# KiCad board IotKnob.kicad_pcb (continued)
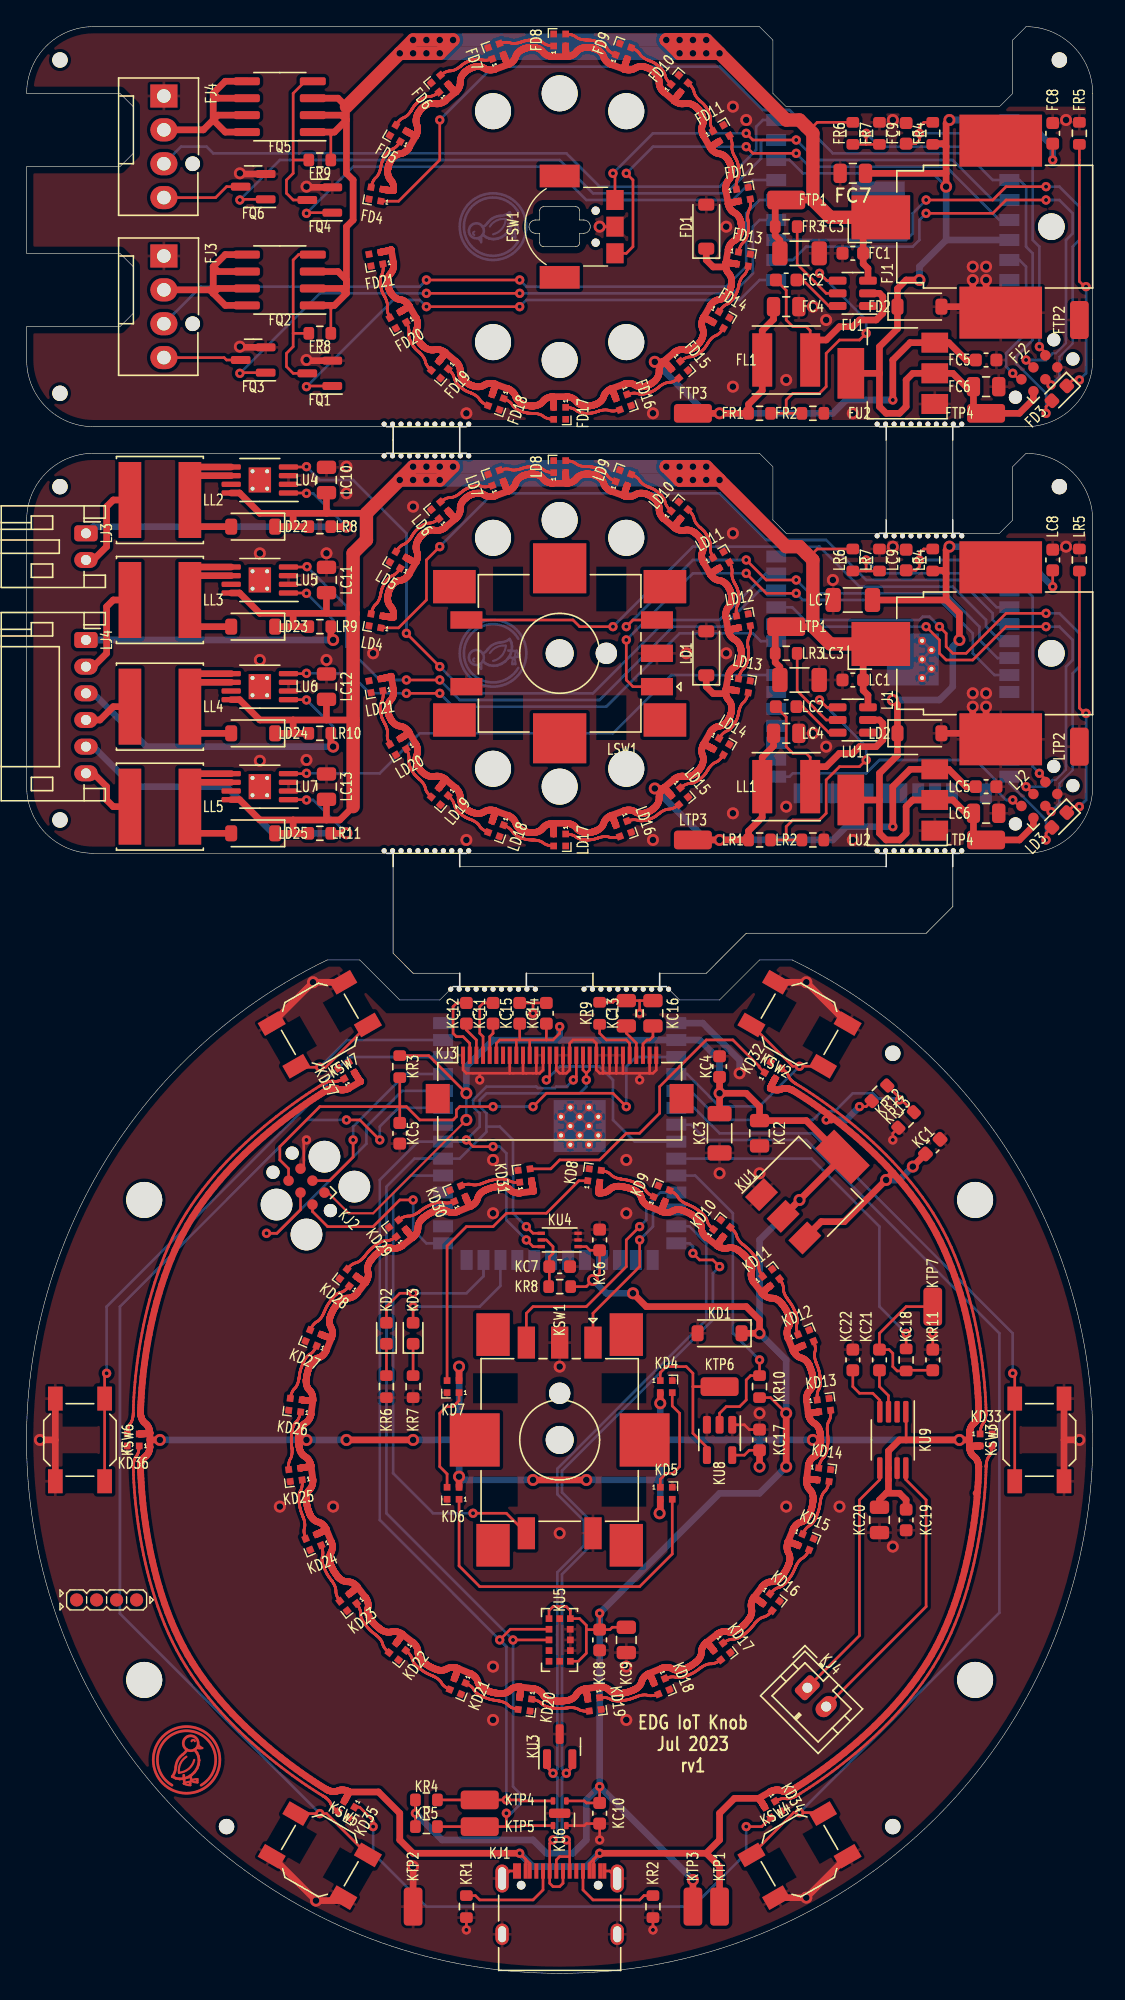
[diagram p0: board, top side]
## Routing (per net, layer and track width the routed paths; a pad name or vN(x,y) marks a point on that pad's centre or on a via; arc(x,y) is an arc through that point) (continued)
rgb_ring.led[5].dout: length 12.1
  Top w0.2: 59.47,38.04 59.47,38.07 59.48,38.09 59.49,38.12 59.51,38.18 59.52,38.21 59.53,38.25 59.54,38.28 59.55,38.31 59.57,38.35 59.58,38.38 59.6,38.41 59.61,38.44 59.63,38.47 59.65,38.5 59.67,38.53 59.69,38.56 59.72,38.59 59.74,38.62 59.79,38.66 59.81,38.69 59.84,38.72 59.86,38.75 59.88,38.78 59.9,38.81 59.92,38.84 59.93,38.87 59.95,38.9 59.96,38.93 59.98,38.97 59.99,39 60,39.03 60.01,39.06 60.02,39.1 60.03,39.13 60.05,39.19 60.06,39.21 60.07,39.26 60.08,39.31 60.08,39.34 60.09,39.38 60.09,39.39 60.09,39.4 60.09,39.41 60.1,39.42 60.1,39.44 60.1,39.45 60.1,39.47 60.11,39.51 60.11,39.54 60.11,39.56 60.12,39.61 60.12,39.64 60.12,39.69 60.13,39.72 60.13,39.75 60.14,39.88 60.14,39.96 60.14,39.98 60.14,40.01 60.14,40.03 60.14,40.05 60.14,40.13 60.13,40.27 60.13,40.3 60.12,40.32 60.12,40.38 60.12,40.4 60.11,40.45 60.11,40.48 60.11,40.5 60.1,40.54 60.1,40.56 60.1,40.58 60.1,40.59 60.09,40.6 60.09,40.61 60.09,40.62 60.09,40.66 60.08,40.69 60.08,40.71 60.08,40.78 60.08,40.8 60.08,40.89 60.08,40.92 60.08,40.99 60.09,41.03 60.09,41.06 60.1,41.1 60.1,41.13 60.11,41.17 60.12,41.2 60.13,41.24 60.14,41.27 60.15,41.31 60.18,41.37 60.19,41.4 60.21,41.43 60.23,41.46 60.25,41.49 60.26,41.52 60.27,41.56 60.29,41.59 60.3,41.63 60.31,41.66 60.31,41.7 60.32,41.73 60.33,41.77 60.33,41.8 60.34,41.84 60.34,41.91 60.34,41.94 60.34,41.97 60.34,42.06 60.34,42.09 ; 45.5,112.37 45.52,112.36 45.55,112.35 45.6,112.32 45.66,112.29 45.68,112.27 45.74,112.23 45.77,112.21 45.83,112.17 45.86,112.14 45.88,112.12 45.91,112.09 45.93,112.07 45.96,112.04 45.98,112.01 46,111.98 46.03,111.92 46.05,111.9 46.08,111.87 46.1,111.84 46.12,111.81 46.18,111.76 46.23,111.72 46.29,111.68 46.32,111.66 46.35,111.64 46.38,111.62 46.41,111.6 46.43,111.59 46.46,111.57 46.49,111.56 46.51,111.55 46.54,111.53 46.58,111.51 46.6,111.51 46.62,111.5 46.67,111.48 46.68,111.48 46.71,111.46 46.72,111.46 46.73,111.45 46.79,111.43 46.84,111.41 46.94,111.37 46.96,111.36 47.01,111.34 47.05,111.32 47.06,111.31 47.09,111.29 47.12,111.27 47.16,111.25 47.17,111.24 47.19,111.23 47.2,111.22 47.22,111.21 47.24,111.2 47.25,111.18 47.32,111.14 47.38,111.09 47.39,111.08 47.41,111.06 47.42,111.05 47.46,111.02 47.48,111.01 47.51,110.98 47.52,110.97 47.57,110.92 47.59,110.9 47.61,110.88 47.63,110.86 47.65,110.83 47.67,110.81 47.69,110.78 47.71,110.76 47.75,110.7 47.79,110.64 47.81,110.61 47.83,110.58 47.85,110.55 47.86,110.51 47.88,110.48 47.89,110.45 47.9,110.41 47.91,110.38 47.92,110.31 47.93,110.28 47.94,110.24 47.95,110.21 47.97,110.18 48,110.11 48.02,110.08 48.04,110.05 48.06,110.02 48.08,109.99 48.1,109.96 48.12,109.93 48.16,109.88 48.2,109.84 48.22,109.81 48.26,109.77 ; 48.26,141.77 48.22,141.81 48.2,141.84 48.16,141.88 48.12,141.93 48.1,141.96 48.08,141.99 48.06,142.02 48.04,142.05 48.02,142.08 48,142.11 47.97,142.18 47.95,142.21 47.94,142.24 47.93,142.28 47.92,142.31 47.91,142.38 47.9,142.41 47.89,142.45 47.88,142.48 47.86,142.51 47.85,142.55 47.83,142.58 47.81,142.61 47.79,142.64 47.75,142.7 47.71,142.76 47.69,142.78 47.67,142.81 47.65,142.83 47.63,142.86 47.61,142.88 47.59,142.9 47.57,142.92 47.52,142.97 47.51,142.98 47.49,143 47.46,143.02 47.43,143.04 47.42,143.05 47.41,143.06 47.39,143.08 47.35,143.11 47.32,143.14 47.27,143.17 47.25,143.18 47.24,143.2 47.22,143.21 47.2,143.22 47.19,143.23 47.17,143.24 47.16,143.25 47.12,143.27 47.09,143.29 47.06,143.31 47.05,143.32 47.01,143.34 46.96,143.36 46.94,143.37 46.88,143.39 46.84,143.41 46.79,143.43 46.75,143.45 46.72,143.46 46.7,143.47 46.68,143.47 46.67,143.48 46.62,143.5 46.6,143.51 46.58,143.51 46.54,143.53 46.51,143.55 46.49,143.56 46.46,143.57 46.43,143.59 46.41,143.6 46.38,143.62 46.35,143.64 46.32,143.66 46.29,143.68 46.23,143.72 46.18,143.76 46.12,143.81 46.1,143.84 46.08,143.87 46.05,143.9 46.03,143.92 46,143.98 45.98,144.01 45.96,144.04 45.93,144.07 45.91,144.09 45.88,144.12 45.86,144.14 45.83,144.17 45.77,144.21 45.74,144.23 45.68,144.27 45.66,144.29 45.6,144.32 45.55,144.35 45.52,144.36 45.5,144.37
rgb_ring.led[6].dout: length 12.1
  Top w0.2: 49.74,109.69 49.8,109.63 49.81,109.6 49.84,109.58 49.88,109.53 49.92,109.47 49.96,109.41 49.98,109.38 50,109.35 50.01,109.32 50.03,109.28 50.04,109.25 50.06,109.22 50.07,109.18 50.08,109.15 50.09,109.08 50.1,109.05 50.11,109.01 50.12,108.98 50.14,108.95 50.15,108.92 50.17,108.88 50.19,108.85 50.2,108.82 50.24,108.76 50.29,108.7 50.33,108.65 50.37,108.61 50.39,108.58 50.41,108.56 50.43,108.54 50.46,108.51 50.5,108.47 50.52,108.46 50.53,108.44 50.56,108.42 50.58,108.4 50.61,108.38 50.62,108.37 50.64,108.35 50.67,108.32 50.69,108.31 50.7,108.29 50.73,108.27 50.75,108.25 50.76,108.24 50.81,108.19 50.86,108.14 50.87,108.13 50.88,108.11 50.89,108.1 50.92,108.05 50.96,108 50.97,107.99 50.98,107.97 51.03,107.9 51.06,107.85 51.06,107.84 51.07,107.82 51.08,107.81 51.1,107.79 51.1,107.78 51.12,107.75 51.13,107.73 51.13,107.73 51.14,107.72 51.15,107.69 51.16,107.67 51.18,107.63 51.2,107.59 51.21,107.56 51.22,107.53 51.23,107.5 51.24,107.47 51.25,107.44 51.27,107.41 51.28,107.38 51.29,107.34 51.3,107.31 51.3,107.27 51.31,107.24 51.32,107.2 51.32,107.17 51.33,107.13 51.33,107.1 51.33,107.06 51.33,107.02 51.32,106.99 51.31,106.92 51.31,106.89 51.31,106.85 51.31,106.81 51.31,106.78 51.31,106.74 51.32,106.71 51.32,106.67 51.33,106.64 51.34,106.6 51.35,106.57 51.37,106.5 51.38,106.47 51.39,106.44 51.4,106.41 51.41,106.38 51.44,106.32 51.45,106.3 ; 58.3,33.07 58.32,33.12 58.35,33.17 58.37,33.2 58.39,33.22 58.41,33.25 58.45,33.31 58.49,33.37 58.52,33.39 58.54,33.42 58.57,33.44 58.59,33.47 58.62,33.49 58.65,33.51 58.68,33.54 58.71,33.55 58.74,33.57 58.77,33.59 58.8,33.61 58.83,33.63 58.86,33.65 58.88,33.67 58.91,33.7 58.96,33.75 58.98,33.78 59.01,33.8 59.05,33.86 59.07,33.89 59.09,33.92 59.12,33.97 59.14,34 59.17,34.05 59.18,34.07 59.19,34.09 59.2,34.11 59.22,34.15 59.23,34.18 59.24,34.2 59.25,34.22 59.26,34.24 59.27,34.26 59.27,34.27 59.28,34.29 59.29,34.31 59.3,34.35 59.31,34.37 59.32,34.39 59.33,34.42 59.34,34.44 59.35,34.47 59.36,34.49 59.37,34.52 59.38,34.54 59.39,34.57 59.42,34.68 59.43,34.7 59.44,34.72 59.44,34.75 59.45,34.77 59.46,34.81 59.47,34.84 59.47,34.86 59.48,34.89 59.48,34.91 59.49,34.94 59.51,35.02 59.52,35.1 59.53,35.13 59.53,35.16 59.54,35.21 59.54,35.23 59.55,35.26 59.55,35.28 59.56,35.32 59.56,35.34 59.56,35.35 59.56,35.38 59.57,35.41 59.57,35.45 59.58,35.49 59.58,35.51 59.6,35.58 59.61,35.61 59.62,35.66 59.63,35.7 59.66,35.76 59.67,35.79 59.68,35.82 59.71,35.89 59.72,35.92 59.74,35.95 59.76,35.99 59.8,36.05 59.82,36.08 59.84,36.1 59.87,36.13 59.92,36.18 59.94,36.2 59.96,36.23 59.98,36.26 60.03,36.32 60.04,36.35 60.06,36.38 60.08,36.41 60.09,36.45 60.12,36.51 60.13,36.54 60.14,36.58 60.15,36.61 60.17,36.67 60.18,36.73 60.19,36.75 ; 49.74,141.69 49.8,141.63 49.81,141.6 49.84,141.58 49.88,141.53 49.92,141.47 49.96,141.41 49.98,141.38 50,141.35 50.01,141.32 50.03,141.28 50.04,141.25 50.06,141.22 50.07,141.18 50.08,141.15 50.09,141.08 50.1,141.05 50.11,141.01 50.12,140.98 50.14,140.95 50.15,140.92 50.17,140.88 50.19,140.85 50.2,140.82 50.24,140.76 50.29,140.7 50.33,140.65 50.37,140.61 50.39,140.58 50.41,140.56 50.43,140.54 50.46,140.51 50.5,140.47 50.52,140.46 50.53,140.44 50.56,140.42 50.58,140.4 50.61,140.38 50.62,140.37 50.64,140.35 50.67,140.32 50.69,140.31 50.7,140.29 50.73,140.27 50.75,140.25 50.76,140.24 50.81,140.19 50.86,140.14 50.87,140.13 50.88,140.11 50.89,140.1 50.92,140.05 50.96,140 50.97,139.99 50.98,139.97 51.03,139.9 51.06,139.85 51.06,139.84 51.07,139.82 51.08,139.81 51.1,139.79 51.1,139.78 51.12,139.75 51.13,139.73 51.13,139.73 51.14,139.72 51.15,139.69 51.16,139.67 51.18,139.63 51.2,139.59 51.21,139.56 51.22,139.53 51.23,139.5 51.24,139.47 51.25,139.44 51.27,139.41 51.28,139.38 51.29,139.34 51.3,139.31 51.3,139.27 51.31,139.24 51.32,139.2 51.32,139.17 51.33,139.13 51.33,139.1 51.33,139.06 51.33,139.02 51.32,138.99 51.31,138.92 51.31,138.89 51.31,138.85 51.31,138.81 51.31,138.78 51.31,138.74 51.32,138.71 51.32,138.67 51.33,138.64 51.34,138.6 51.35,138.57 51.37,138.5 51.38,138.47 51.39,138.44 51.4,138.41 51.41,138.38 51.44,138.32 51.45,138.3
rgb_ring.led[7].dout: length 12.1
  Top w0.2: 53.25,101.94 53.25,101.97 53.25,102 53.24,102.06 53.24,102.12 53.25,102.19 53.25,102.26 53.26,102.34 53.28,102.41 53.3,102.48 53.31,102.51 53.32,102.54 53.34,102.57 53.35,102.6 53.37,102.64 53.39,102.67 53.4,102.7 53.41,102.73 53.42,102.77 53.43,102.8 53.44,102.87 53.45,102.95 53.46,103.02 53.46,103.08 53.46,103.15 53.46,103.21 53.46,103.24 53.46,103.27 53.45,103.29 53.45,103.33 53.45,103.37 53.44,103.41 53.44,103.42 53.43,103.46 53.42,103.5 53.42,103.54 53.4,103.59 53.4,103.61 53.39,103.63 53.39,103.65 53.39,103.67 53.37,103.73 53.36,103.75 53.36,103.77 53.35,103.79 53.35,103.81 53.34,103.83 53.34,103.84 53.33,103.87 53.32,103.89 53.31,103.91 53.29,103.96 53.26,104.02 53.22,104.09 53.22,104.11 53.2,104.14 53.19,104.16 53.18,104.17 53.17,104.2 53.15,104.24 53.13,104.27 53.11,104.3 53.09,104.34 53.07,104.38 53.06,104.4 53.05,104.43 53.04,104.45 53.03,104.48 53.02,104.51 53,104.54 52.99,104.57 52.98,104.6 52.97,104.64 52.96,104.67 52.94,104.74 52.94,104.77 52.93,104.81 52.92,104.88 52.92,104.92 52.92,104.95 52.92,104.99 52.93,105.02 52.93,105.06 52.94,105.09 52.94,105.13 52.94,105.16 52.94,105.2 52.94,105.23 52.94,105.27 52.93,105.31 52.92,105.34 52.92,105.38 52.91,105.41 52.9,105.45 52.89,105.48 52.88,105.51 52.87,105.55 52.86,105.58 52.85,105.61 52.84,105.64 52.83,105.66 52.81,105.69 52.8,105.71 ; 52.8,137.71 52.81,137.69 52.83,137.66 52.84,137.64 52.85,137.61 52.86,137.58 52.87,137.55 52.88,137.51 52.89,137.48 52.9,137.45 52.91,137.41 52.92,137.38 52.92,137.34 52.93,137.31 52.94,137.27 52.94,137.23 52.94,137.2 52.94,137.16 52.94,137.13 52.94,137.09 52.93,137.06 52.93,137.02 52.92,136.99 52.92,136.95 52.92,136.92 52.92,136.88 52.93,136.81 52.94,136.77 52.94,136.74 52.96,136.67 52.97,136.64 52.98,136.6 52.99,136.57 53,136.54 53.02,136.51 53.03,136.48 53.04,136.45 53.05,136.43 53.06,136.4 53.07,136.38 53.09,136.34 53.11,136.3 53.13,136.27 53.14,136.25 53.17,136.2 53.18,136.17 53.19,136.16 53.2,136.14 53.22,136.11 53.22,136.09 53.24,136.05 53.27,136 53.29,135.96 53.3,135.93 53.31,135.91 53.32,135.89 53.34,135.84 53.34,135.83 53.35,135.81 53.35,135.79 53.36,135.77 53.36,135.75 53.37,135.73 53.39,135.67 53.39,135.65 53.39,135.63 53.4,135.61 53.4,135.59 53.41,135.56 53.42,135.54 53.42,135.5 53.43,135.46 53.44,135.43 53.44,135.41 53.44,135.38 53.45,135.35 53.45,135.31 53.45,135.29 53.46,135.27 53.46,135.24 53.46,135.21 53.46,135.15 53.46,135.08 53.46,135.02 53.45,134.95 53.44,134.87 53.43,134.8 53.42,134.77 53.41,134.73 53.4,134.7 53.39,134.67 53.37,134.64 53.35,134.6 53.34,134.57 53.32,134.54 53.31,134.51 53.3,134.48 53.28,134.41 53.26,134.34 53.25,134.26 53.25,134.19 53.24,134.12 53.24,134.06 53.25,134 53.25,133.97 53.25,133.94 ; 55.88,28.57 55.9,28.59 55.92,28.61 55.94,28.63 55.98,28.67 56.03,28.72 56.06,28.74 56.11,28.78 56.14,28.81 56.17,28.83 56.2,28.84 56.24,28.86 56.27,28.88 56.3,28.9 56.33,28.91 56.37,28.92 56.4,28.93 56.43,28.94 56.47,28.95 56.5,28.96 56.53,28.97 56.57,28.98 56.6,29 56.63,29.02 56.66,29.04 56.69,29.05 56.75,29.1 56.78,29.12 56.81,29.14 56.86,29.18 56.89,29.21 56.93,29.25 56.97,29.29 56.99,29.31 57.02,29.35 57.04,29.36 57.06,29.39 57.08,29.42 57.1,29.43 57.1,29.44 57.11,29.45 57.12,29.47 57.13,29.48 57.14,29.49 57.15,29.51 57.18,29.54 57.21,29.58 57.22,29.6 57.25,29.65 57.29,29.69 57.3,29.72 57.35,29.78 57.38,29.83 57.39,29.85 57.41,29.87 57.42,29.89 57.43,29.92 57.44,29.93 57.46,29.95 57.47,29.98 57.49,30.02 57.53,30.09 57.54,30.12 57.55,30.14 57.59,30.22 57.61,30.27 57.62,30.29 57.64,30.34 57.65,30.36 57.67,30.4 57.68,30.43 57.69,30.45 57.7,30.49 57.71,30.5 57.72,30.53 57.74,30.57 57.76,30.61 57.77,30.63 57.8,30.68 57.82,30.71 57.85,30.76 57.89,30.82 57.91,30.85 57.93,30.87 57.95,30.9 57.97,30.93 58,30.96 58.02,30.98 58.05,31.01 58.07,31.03 58.1,31.06 58.13,31.08 58.16,31.1 58.19,31.12 58.22,31.13 58.25,31.15 58.28,31.17 58.31,31.19 58.33,31.21 58.39,31.26 58.41,31.29 58.44,31.31 58.46,31.34 58.48,31.37 58.51,31.4 58.53,31.42 58.55,31.45 58.58,31.51 58.62,31.56 58.63,31.59 58.66,31.64
rgb_ring.led[8].dout: length 12.1
  Top w0.2: 54.33,100.93 54.33,100.88 54.33,100.82 54.33,100.75 54.33,100.72 54.33,100.65 54.32,100.58 54.31,100.54 54.31,100.5 54.3,100.47 54.29,100.43 54.28,100.4 54.27,100.37 54.25,100.33 54.24,100.3 54.22,100.27 54.2,100.24 54.19,100.21 54.18,100.18 54.15,100.11 54.14,100.07 54.14,100.04 54.12,99.97 54.12,99.93 54.11,99.86 54.11,99.82 54.11,99.79 54.11,99.73 54.11,99.69 54.11,99.66 54.12,99.64 54.12,99.58 54.12,99.56 54.12,99.54 54.13,99.51 54.13,99.48 54.14,99.45 54.15,99.4 54.15,99.37 54.15,99.35 54.16,99.34 54.16,99.3 54.16,99.28 54.17,99.26 54.17,99.24 54.17,99.22 54.17,99.18 54.18,99.16 54.18,99.14 54.18,99.12 54.18,99.1 54.19,99.02 54.19,98.99 54.18,98.91 54.18,98.89 54.18,98.87 54.18,98.85 54.17,98.83 54.17,98.79 54.17,98.77 54.17,98.75 54.16,98.73 54.16,98.71 54.16,98.68 54.15,98.66 54.15,98.64 54.14,98.59 54.14,98.57 54.14,98.55 54.13,98.51 54.11,98.45 54.11,98.43 54.1,98.41 54.09,98.35 54.08,98.33 54.06,98.27 54.05,98.23 54.03,98.2 54.02,98.17 54,98.14 53.99,98.11 53.96,98.04 53.94,98.01 53.92,97.98 53.9,97.95 53.88,97.92 53.85,97.89 53.83,97.87 53.81,97.84 53.78,97.82 53.75,97.8 53.73,97.77 53.7,97.75 53.68,97.72 53.66,97.69 53.62,97.63 53.6,97.6 53.57,97.54 53.55,97.5 53.52,97.44 53.5,97.38 53.49,97.35 53.47,97.29 53.45,97.24 ; 54.33,132.93 54.33,132.88 54.33,132.82 54.33,132.75 54.33,132.72 54.33,132.65 54.32,132.58 54.31,132.54 54.31,132.5 54.3,132.47 54.29,132.43 54.28,132.4 54.27,132.37 54.25,132.33 54.24,132.3 54.22,132.27 54.2,132.24 54.19,132.21 54.18,132.18 54.15,132.11 54.14,132.07 54.14,132.04 54.12,131.97 54.12,131.93 54.11,131.86 54.11,131.82 54.11,131.79 54.11,131.73 54.11,131.69 54.11,131.66 54.12,131.64 54.12,131.58 54.12,131.56 54.12,131.54 54.13,131.51 54.13,131.48 54.14,131.45 54.15,131.4 54.15,131.37 54.15,131.35 54.16,131.34 54.16,131.3 54.16,131.28 54.17,131.26 54.17,131.24 54.17,131.22 54.17,131.18 54.18,131.16 54.18,131.14 54.18,131.12 54.18,131.1 54.19,131.02 54.19,130.99 54.18,130.91 54.18,130.89 54.18,130.87 54.18,130.85 54.17,130.83 54.17,130.79 54.17,130.77 54.17,130.75 54.16,130.73 54.16,130.71 54.16,130.68 54.15,130.66 54.15,130.64 54.14,130.59 54.14,130.57 54.14,130.55 54.13,130.51 54.11,130.45 54.11,130.43 54.1,130.41 54.09,130.35 54.08,130.33 54.06,130.27 54.05,130.23 54.03,130.2 54.02,130.17 54,130.14 53.99,130.11 53.96,130.04 53.94,130.01 53.92,129.98 53.9,129.95 53.88,129.92 53.85,129.89 53.83,129.87 53.81,129.84 53.78,129.82 53.75,129.8 53.73,129.77 53.7,129.75 53.68,129.72 53.66,129.69 53.62,129.63 53.6,129.6 53.57,129.54 53.55,129.5 53.52,129.44 53.5,129.38 53.49,129.35 53.47,129.29 53.45,129.24 ; 55.86,27.09 55.82,27.05 55.8,27.03 55.78,27.01 55.75,26.99 55.73,26.97 55.7,26.94 55.65,26.9 55.59,26.86 55.56,26.84 55.5,26.8 55.47,26.78 55.43,26.77 55.4,26.75 55.37,26.74 55.33,26.73 55.27,26.71 55.23,26.7 55.2,26.69 55.17,26.68 55.13,26.66 55.1,26.65 55.04,26.61 55.01,26.59 54.95,26.55 54.92,26.52 54.87,26.48 54.82,26.43 54.8,26.41 54.78,26.39 54.73,26.33 54.69,26.29 54.67,26.26 54.65,26.24 54.62,26.21 54.6,26.18 54.58,26.15 54.55,26.12 54.52,26.08 54.45,26 54.42,25.96 54.4,25.94 54.35,25.87 54.33,25.85 54.31,25.83 54.29,25.81 54.28,25.8 54.26,25.78 54.23,25.75 54.21,25.73 54.19,25.71 54.17,25.7 54.15,25.68 54.13,25.66 54.07,25.61 54.05,25.59 54.01,25.55 53.94,25.5 53.92,25.49 53.89,25.45 53.85,25.43 53.82,25.4 53.8,25.38 53.78,25.37 53.76,25.35 53.75,25.35 53.73,25.33 53.68,25.3 53.67,25.29 53.64,25.28 53.62,25.26 53.57,25.23 53.54,25.22 53.52,25.2 53.46,25.17 53.39,25.15 53.36,25.13 53.29,25.11 53.26,25.1 53.22,25.09 53.19,25.08 53.15,25.07 53.11,25.07 53.08,25.06 53.05,25.06 52.97,25.06 52.94,25.06 52.91,25.06 52.87,25.05 52.83,25.05 52.8,25.04 52.73,25.02 52.69,25.01 52.66,25 52.63,24.98 52.6,24.97 52.56,24.95 52.5,24.92 52.48,24.91 52.45,24.89 52.4,24.86 52.38,24.85
rgb_ring.led[9].dout: length 12.1
  Top w0.2: 52.04,92.74 52.05,92.76 52.09,92.81 52.13,92.86 52.17,92.91 52.2,92.93 52.22,92.96 52.27,93.01 52.3,93.03 52.33,93.06 52.36,93.08 52.39,93.1 52.42,93.12 52.45,93.14 52.48,93.15 52.51,93.17 52.54,93.18 52.57,93.19 52.61,93.21 52.64,93.22 52.67,93.24 52.7,93.26 52.73,93.28 52.76,93.3 52.78,93.33 52.81,93.35 52.86,93.4 52.91,93.45 52.93,93.48 52.96,93.5 53,93.55 53.01,93.58 53.03,93.6 53.05,93.62 53.08,93.68 53.11,93.72 53.13,93.74 53.14,93.76 53.17,93.81 53.18,93.84 53.19,93.86 53.2,93.87 53.22,93.91 53.22,93.92 53.24,93.96 53.27,94.01 53.29,94.05 53.3,94.09 53.31,94.1 53.32,94.12 53.34,94.17 53.34,94.19 53.35,94.2 53.35,94.22 53.36,94.24 53.36,94.26 53.37,94.28 53.39,94.34 53.39,94.36 53.39,94.38 53.4,94.4 53.4,94.42 53.41,94.46 53.42,94.47 53.42,94.51 53.43,94.55 53.44,94.58 53.44,94.6 53.45,94.66 53.46,94.7 53.47,94.72 53.47,94.74 53.48,94.77 53.49,94.8 53.5,94.83 53.53,94.92 53.54,94.95 53.56,94.98 53.57,95.01 53.58,95.04 53.6,95.08 53.62,95.11 53.64,95.14 53.66,95.17 53.68,95.2 53.7,95.23 53.72,95.26 53.75,95.28 53.77,95.31 53.8,95.33 53.82,95.35 53.85,95.38 53.87,95.4 53.89,95.43 53.94,95.49 53.97,95.55 53.99,95.58 54.02,95.65 54.04,95.68 54.05,95.71 54.06,95.74 54.08,95.77 54.08,95.81 54.09,95.83 54.1,95.86 54.11,95.89 54.12,95.92 ; 48.03,22.16 48.06,22.17 48.08,22.18 48.11,22.19 48.14,22.19 48.21,22.21 48.24,22.21 48.28,22.22 48.34,22.23 48.42,22.24 48.45,22.24 48.49,22.24 48.53,22.24 48.56,22.23 48.6,22.23 48.63,22.22 48.67,22.22 48.7,22.21 48.73,22.2 48.77,22.19 48.8,22.18 48.84,22.18 48.87,22.17 48.91,22.17 48.95,22.17 49.02,22.18 49.05,22.18 49.12,22.19 49.19,22.2 49.22,22.21 49.25,22.22 49.28,22.22 49.31,22.23 49.34,22.24 49.39,22.25 49.41,22.26 49.45,22.27 49.48,22.29 49.5,22.29 49.52,22.3 49.56,22.32 49.57,22.32 49.61,22.34 49.65,22.36 49.67,22.37 49.72,22.39 49.74,22.4 49.79,22.42 49.86,22.46 49.89,22.47 49.92,22.48 49.99,22.52 50.03,22.54 50.05,22.55 50.07,22.56 50.09,22.57 50.11,22.59 50.13,22.6 50.15,22.61 50.22,22.66 50.29,22.7 50.31,22.72 50.36,22.75 50.4,22.78 50.42,22.8 50.46,22.83 50.5,22.85 50.51,22.86 50.53,22.88 50.54,22.89 50.55,22.9 50.56,22.9 50.58,22.92 50.6,22.93 50.62,22.94 50.63,22.95 50.65,22.96 50.67,22.98 50.71,23 50.73,23.02 50.78,23.05 50.81,23.06 50.86,23.09 50.89,23.11 50.93,23.12 50.99,23.15 51.03,23.16 51.06,23.17 51.09,23.18 51.13,23.19 51.17,23.2 51.2,23.21 51.23,23.21 51.27,23.21 51.31,23.22 51.34,23.22 51.38,23.21 51.41,23.22 51.44,23.22 51.48,23.22 51.52,23.23 51.55,23.24 51.62,23.26 51.66,23.27 51.69,23.28 51.72,23.3 51.75,23.31 51.79,23.33 51.82,23.34 51.85,23.36 51.87,23.37 51.9,23.39 51.95,23.41 51.97,23.43 ; 54.12,127.92 54.11,127.89 54.1,127.86 54.09,127.83 54.08,127.81 54.08,127.77 54.06,127.74 54.05,127.71 54.04,127.68 54.02,127.65 53.99,127.58 53.97,127.55 53.94,127.49 53.89,127.43 53.87,127.4 53.85,127.38 53.82,127.35 53.8,127.33 53.77,127.31 53.75,127.28 53.72,127.26 53.7,127.23 53.68,127.2 53.66,127.17 53.64,127.14 53.62,127.11 53.6,127.08 53.58,127.04 53.57,127.01 53.56,126.98 53.54,126.95 53.53,126.92 53.51,126.85 53.5,126.83 53.49,126.8 53.48,126.77 53.47,126.74 53.47,126.72 53.46,126.68 53.45,126.66 53.44,126.62 53.44,126.6 53.44,126.59 53.43,126.55 53.42,126.51 53.42,126.47 53.4,126.42 53.4,126.4 53.39,126.38 53.39,126.36 53.39,126.34 53.37,126.28 53.36,126.26 53.36,126.24 53.35,126.22 53.35,126.2 53.34,126.19 53.34,126.17 53.33,126.14 53.32,126.12 53.31,126.1 53.29,126.05 53.26,126 53.22,125.92 53.22,125.91 53.2,125.87 53.19,125.86 53.18,125.84 53.17,125.81 53.15,125.78 53.13,125.75 53.08,125.68 53.05,125.62 53.03,125.6 53.01,125.58 53,125.55 52.96,125.5 52.93,125.48 52.91,125.45 52.86,125.4 52.81,125.35 52.78,125.33 52.76,125.3 52.73,125.28 52.7,125.26 52.67,125.24 52.64,125.22 52.61,125.21 52.57,125.19 52.54,125.18 52.51,125.17 52.48,125.15 52.45,125.14 52.42,125.12 52.39,125.1 52.36,125.08 52.33,125.06 52.3,125.03 52.27,125.01 52.22,124.96 52.2,124.93 52.17,124.91 52.13,124.86 52.09,124.81 52.05,124.76 52.04,124.74
rgb_ring.led[10].dout: length 12.1
  Top w0.2: 49.17,121 49.22,121.03 49.24,121.05 49.27,121.06 49.29,121.08 49.32,121.1 49.35,121.11 49.38,121.13 49.45,121.16 49.48,121.17 49.51,121.19 49.55,121.2 49.58,121.21 49.62,121.22 49.65,121.23 49.69,121.23 49.72,121.24 49.76,121.24 49.83,121.24 49.86,121.25 49.9,121.25 49.93,121.26 49.97,121.26 50,121.27 50.04,121.29 50.07,121.3 50.11,121.31 50.14,121.32 50.17,121.34 50.2,121.36 50.23,121.37 50.26,121.39 50.29,121.4 50.32,121.42 50.35,121.44 50.37,121.45 50.42,121.48 50.46,121.51 50.49,121.53 50.5,121.54 50.53,121.57 50.56,121.6 50.58,121.61 50.61,121.63 50.62,121.64 50.64,121.67 50.67,121.69 50.69,121.71 50.7,121.72 50.73,121.75 50.75,121.76 50.76,121.78 50.81,121.82 50.86,121.87 50.87,121.89 50.88,121.9 50.89,121.91 50.92,121.96 50.96,122.01 50.97,122.03 50.98,122.04 51.03,122.11 51.06,122.16 51.06,122.17 51.07,122.19 51.08,122.2 51.1,122.23 51.1,122.24 51.12,122.26 51.13,122.28 51.16,122.34 51.17,122.35 51.19,122.37 51.2,122.39 51.22,122.42 51.23,122.44 51.25,122.46 51.27,122.49 51.29,122.51 51.31,122.54 51.34,122.56 51.39,122.61 51.44,122.66 51.46,122.69 51.49,122.71 51.52,122.73 51.55,122.75 51.58,122.77 51.61,122.79 51.64,122.81 51.67,122.82 51.71,122.83 51.74,122.85 51.77,122.86 51.8,122.88 51.83,122.9 51.86,122.91 51.89,122.94 51.92,122.96 51.95,122.98 51.98,123 52,123.03 52.05,123.08 52.08,123.11 52.1,123.13 52.14,123.18 52.16,123.2 52.19,123.25 52.21,123.27 ; 49.17,89 49.22,89.03 49.24,89.05 49.27,89.06 49.29,89.08 49.32,89.1 49.35,89.11 49.38,89.13 49.45,89.16 49.48,89.17 49.51,89.19 49.55,89.2 49.58,89.21 49.62,89.22 49.65,89.23 49.69,89.23 49.72,89.24 49.76,89.24 49.83,89.24 49.86,89.25 49.9,89.25 49.93,89.26 49.97,89.26 50,89.27 50.04,89.29 50.07,89.3 50.11,89.31 50.14,89.32 50.17,89.34 50.2,89.36 50.23,89.37 50.26,89.39 50.29,89.4 50.32,89.42 50.35,89.44 50.37,89.45 50.42,89.48 50.46,89.51 50.49,89.53 50.5,89.54 50.52,89.56 50.54,89.57 50.57,89.6 50.58,89.61 50.61,89.63 50.62,89.64 50.64,89.67 50.67,89.69 50.69,89.71 50.7,89.72 50.73,89.75 50.75,89.76 50.76,89.78 50.81,89.82 50.86,89.87 50.87,89.89 50.88,89.9 50.89,89.91 50.92,89.96 50.96,90.01 50.97,90.03 50.98,90.04 51.03,90.11 51.06,90.16 51.06,90.17 51.07,90.19 51.08,90.2 51.1,90.23 51.1,90.24 51.12,90.26 51.13,90.28 51.16,90.34 51.17,90.35 51.19,90.37 51.2,90.39 51.22,90.42 51.23,90.44 51.25,90.46 51.27,90.49 51.29,90.51 51.31,90.54 51.34,90.56 51.39,90.61 51.44,90.66 51.46,90.69 51.49,90.71 51.52,90.73 51.55,90.75 51.58,90.77 51.61,90.79 51.64,90.81 51.67,90.82 51.71,90.83 51.74,90.85 51.77,90.86 51.8,90.88 51.83,90.9 51.86,90.91 51.89,90.94 51.92,90.96 51.95,90.98 51.98,91 52,91.03 52.05,91.08 52.08,91.11 52.1,91.13 52.14,91.18 52.16,91.2 52.19,91.25 52.21,91.27 ; 47.28,20.89 47.25,20.89 47.22,20.88 47.19,20.87 47.16,20.86 47.13,20.86 47.1,20.85 47.03,20.84 46.96,20.83 46.89,20.82 46.85,20.82 46.82,20.82 46.78,20.82 46.75,20.82 46.71,20.83 46.68,20.83 46.64,20.84 46.61,20.85 46.58,20.86 46.54,20.87 46.5,20.88 46.47,20.88 46.4,20.88 46.36,20.88 46.29,20.88 46.22,20.87 46.18,20.87 46.15,20.86 46.12,20.85 46.08,20.85 46.05,20.84 46.02,20.83 45.99,20.83 45.97,20.82 45.94,20.81 45.89,20.8 45.88,20.79 45.84,20.78 45.82,20.77 45.8,20.76 45.77,20.75 45.75,20.74 45.73,20.73 45.72,20.73 45.7,20.72 45.66,20.7 45.64,20.7 45.61,20.69 45.59,20.68 45.56,20.67 45.54,20.66 45.51,20.65 45.49,20.64 45.46,20.63 45.44,20.62 45.33,20.58 45.31,20.58 45.28,20.57 45.26,20.56 45.23,20.56 45.19,20.54 45.17,20.54 45.14,20.53 45.12,20.53 45.09,20.52 45.07,20.52 44.99,20.5 44.9,20.49 44.88,20.48 44.85,20.48 44.8,20.47 44.77,20.46 44.75,20.46 44.73,20.46 44.69,20.45 44.67,20.45 44.65,20.45 44.62,20.44 44.6,20.44 44.58,20.44 44.56,20.43 44.54,20.43 44.52,20.43 44.42,20.43 44.34,20.43 44.3,20.43 44.24,20.43 44.17,20.44 44.13,20.45 44.1,20.45 44.06,20.46 44.03,20.47 43.99,20.48 43.92,20.5 43.89,20.51 43.86,20.53 43.83,20.54 43.8,20.56 43.77,20.58 43.73,20.59 43.7,20.61 43.67,20.62 43.64,20.64 43.57,20.66 43.53,20.66 43.5,20.67 43.46,20.68 43.39,20.68 43.36,20.69 43.29,20.69 43.26,20.69 43.17,20.69 43.14,20.69
